# Altium PCB board.PcbDoc (part 1 of 3) (continued)
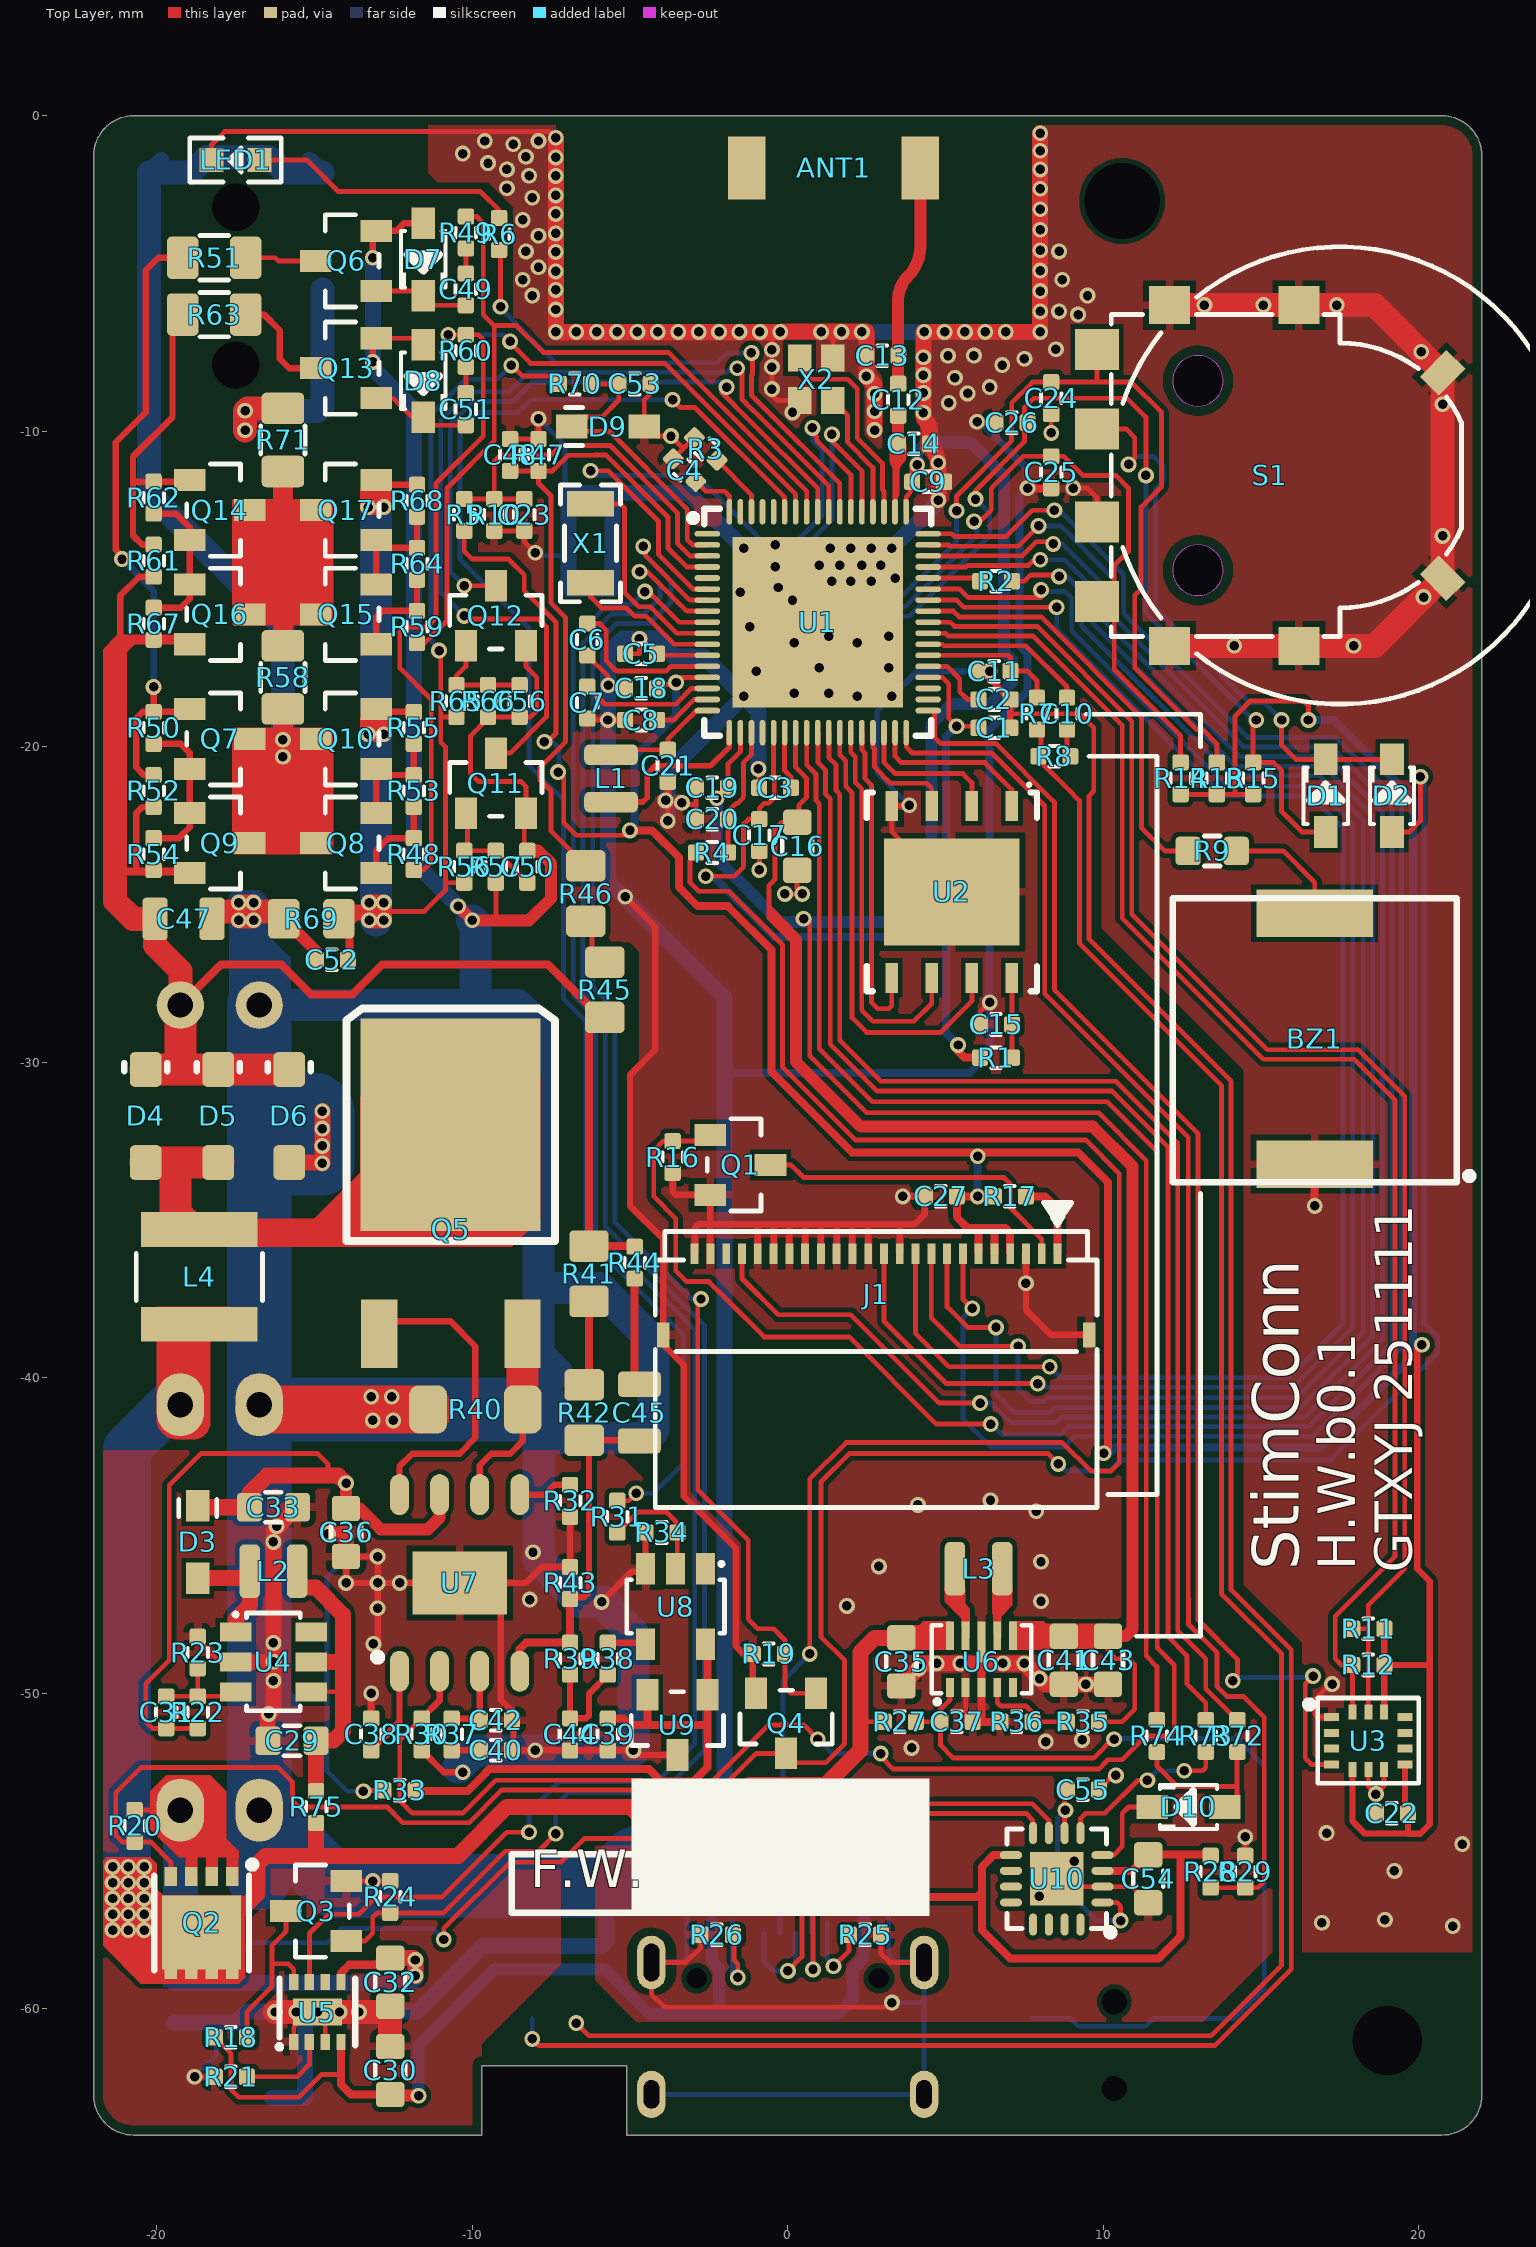
[diagram p0: Top Layer view]
## Components (designator, comment, footprint, x,y, rotation, side; value= is the part's Value field where it differs from the comment) (continued)
R3 "5.1K/1%" 0402R -2.6,-10.559 r135 top
R4 "10R/1%" 0402R -2.4,-23.35 r0 top
R5 "NTC/10K/1%" 0402R -10.25,-12.65 r90 top
R6 "10K/1%" 0402R -9.15,-3.75 r270 top
R7 "2.2K/1%" 0402R 7.9,-18.95 r90 top
R8 "2.2K/1%" 0402R 8.45,-20.3 r0 top
R9 "10R/1%" 0603R 13.45,-23.3 r0 top
R10 "10K/1%" 0402R -9.3,-12.65 r90 top
R11 "5.1K/1%" 0402R 18.4,-47.95 r180 top
R12 "5.1K/1%" 0402R 18.4,-49.1 r180 top
R13 "10K/1%" 0402R 13.6,-21 r270 top
R14 "10K/1%" 0402R 12.45,-21 r270 top
R15 "10K/1%" 0402R 14.75,-21 r270 top
R16 "10K/1%" 0402R -3.65,-33 r270 top
R17 "10R/1%" 0402R 7.042,-34.25 r0 top
R18 "10K/1%" 0402R -17.65,-60.9 r180 top
R19 "18K/1%" 0402R -0.6,-48.75 r0 top
R20 "100K/1%" 0402R -20.7,-54.2 r90 top
R21 "2.2K/1%" 0402R -17.65,-62.15 r180 top
R22 "270K/1%" 0402R -18.7,-50.6 r90 top
R23 "18K/1%" 0402R -18.7,-48.704 r270 top
R24 "18K/1%" 0402R -12.6,-56.45 r270 top
R25 "5.1K/1%" 0402R 2.45,-57.65 r180 top
R26 "5.1K/1%" 0402R -2.25,-57.65 r0 top
R27 "100K/1%" 0402R 3.55,-50.9 r180 top
R28 "5.1K/1%" 0402R 13.4,-55.65 r90 top
R29 "5.1K/1%" 0402R 14.5,-55.65 r270 top
R30 "10K/1%" 0402R -11.6,-51.3 r90 top
R31 "1K/1%" 0402R -5.4,-44.4 r90 top
R32 "100K/1%" 0402R -6.9,-43.9 r90 top
R33 "4.7K/1%" 0402R -12.3,-53.075 r0 top
R34 "5.1K/1%" 0402R -4,-44.9 r180 top
R35 "1.3M/1%" 0402R 9.35,-50.9 r0 top
R36 "180K/1%" 0402R 7.25,-50.9 r180 top
R37 "18K/1%" 0402R -10.65,-51.3 r90 top
R38 "10K/1%" 0402R -5.7,-48.9 r90 top
R39 "10K/1%" 0402R -6.9,-48.9 r270 top
R40 "R050/1%" 1206R_N_HD -9.9,-41 r0 top
R41 "470K/1%" 0805R_N_HD -6.3,-36.7 r90 top
R42 "470K/1%" 0805R_N_HD -6.45,-41.1 r90 top
R43 "18K/1%" 0402R -6.9,-46.5 r270 top
R44 "18K/1%" 0402R -4.85,-36.35 r90 top
R45 "470K/1%" 0805R_N_HD -5.8,-27.7 r270 top
R46 "470K/1%" 0805R_N_HD -6.4,-24.65 r270 top
R47 "18K/1%" 0402R -7.9,-10.75 r270 top
R48 "2.2K/1%" 0402R -11.85,-23.4 r270 top
R49 "5.1K/1%" 0402R -10.2,-3.7 r90 top
R50 "10K/1%" 0402R -20.1,-19.4 r90 top
R51 "100K/5%" 0805R -18.176,-4.5 r0 top
R52 "100K/1%" 0402R -20.1,-21.4 r90 top
R53 "10K/1%" 0402R -11.85,-21.4 r90 top
R54 "10K/1%" 0402R -20.1,-23.4 r90 top
R55 "10K/1%" 0402R -11.85,-19.4 r270 top
R56 "18K/1%" 0402R -10.25,-23.8 r90 top
R57 "5.1K/1%" 0402R -9.25,-23.8 r270 top
R58 "100K/5%" 0805R -16,-17.8 r90 top
R59 "2.2K/1%" 0402R -11.75,-16.2 r270 top
R60 "5.1K/1%" 0402R -10.2,-7.45 r90 top
R61 "100K/1%" 0402R -20.1,-14.1 r90 top
R62 "10K/1%" 0402R -20.1,-12.1 r90 top
R63 "100K/5%" 0805R -18.176,-6.3 r0 top
R64 "10K/1%" 0402R -11.75,-14.2 r90 top
R65 "10K/1%" 0402R -10.5,-18.55 r90 top
R66 "18K/1%" 0402R -9.5,-18.55 r270 top
R67 "10K/1%" 0402R -20.1,-16.1 r90 top
R68 "10K/1%" 0402R -11.75,-12.2 r270 top
R69 "10R/1%" 0805R_N_HD -15.1,-25.45 r180 top
R70 "1K/1%" 0402R -6.75,-8.5 r180 top
R71 "10R/5%" 0805R -16,-10.274 r270 top
R72 "100R/1%" 0402R 14.25,-51.35 r270 top
R73 "100R/1%" 0402R 13.25,-51.35 r270 top
R74 "2.2K/1%" 0402R 11.7,-51.35 r270 top
R75 "2.2R/1%" 0402R -14.95,-53.6 r90 top
S1 "SIQ-02FVS3" ENCODER_SMD_SIQ_02FVS3 17.5,-11.4 r270 top locked
S2 "GT-TC041B-H036-L1A" SW_MEDIUM_TURTLE 10.35,-61.15 r180 bottom
U1 "SF32LB525UC6" QFN68_0.35_7X7_H0.9 0.95,-16.05 r0 top
U2 "PY25Q128HA-WXH-IR" DFN_5X6_1.27_EPAD_FLASH 5.2,-24.6 r270 top
U3 "LSM6DS3TR" LGA14_0.5_2.5X3_H0.9 18.4,-51.5 r0 top
U4 "SX1308" SOT23_6 -16.3,-49 r180 top
U5 "LGS4056HDA" DFN8_0.5_2X2 -14.95,-60.15 r90 top
U6 "SGM62117XTGH10G/TR" DFN8_0.5_3X2_SGM62117 6.139,-48.919 r0 top
U7 "FP5207" SOP8_150MIL_PAD_N_HD -10.4,-46.5 r0 top
U8 "SN74LVC1G14DBVR" SOT23_5 -3.554,-47.246 r90 top
U9 "CJ431K" SOT23 -3.5,-51 r90 top
U10 "CH343P" QFN16_0.5_3X3 8.525,-55.875 r180 top
X1 "32.768KHz/7pF" XTAL_3215_2P -6.25,-13.55 r90 top
X2 "48MHz/9pF/10ppm" XTAL_2016_4P_N 0.9,-8.35 r270 top

## Footprints (in the part's own frame and the unit in brackets; to place one, negate y for a bottom-side part, rotate by r counter-clockwise, add the part's x,y. Pads: shape width x height; smd on the part's side, far side on the other; paste and mask are expansions set on the pad)
0402C [mil]
  rrect30% 20x20.47 smd mask+2: 1(-20,0) 2(20,0)
  silkscreen extent -6,-13 6,13, body extent -20,-10 20,10, height 20
0402R [mil]
  rrect30% 20x20.47 smd mask+2: 1(-20,0) 2(20,0)
  silkscreen extent -6,-13 6,13, body extent -20,-10 20,10, height 14
0603C [mm]
  rrect30% 0.8x0.9 smd mask+0.051: 1(-0.762,0) 2(0.762,0)
  silkscreen extent -0.25,-0.48 0.25,0.48, body extent -0.8,-0.4 0.8,0.4, height 0.8
0603R [mm]
  rrect30% 0.8x0.9 smd mask+0.051: 1(-0.762,0) 2(0.762,0)
  silkscreen extent -0.25,-0.48 0.25,0.48, body extent -0.8,-0.4 0.8,0.4, height 0.45
0805C_N_HD [mm]
  rrect30% 0.8x1.35 smd paste+0 mask+0.025: 1(-0.9,0) 2(0.9,0)
  body extent -1,-0.63 1,0.63, height 1.25
0805R [mm]
  rrect30% 1x1.35 smd paste+0 mask+0.025: 1(-1,0) 2(1,0)
  silkscreen extent -0.45,-0.7 0.45,0.7, body extent -1,-0.6 1,0.6, height 0.45
0805R_N_HD [mm]
  rrect30% 1x1.25 smd paste+0 mask+0.025: 1(-0.876,0) 2(0.876,0)
  body extent -1,-0.6 1,0.6, height 0.45
1206R_N_HD [mm]
  rrect50% 1.2x1.524 smd mask+0.051: 1(-1.5,0) 2(1.5,0)
  body extent -1.6,-0.8 1.6,0.8, height 0.55
ANT_2.4G_HWJ_CA-C03_MIRROR_OUTLINE [mm]
  rect 1.2x2 smd mask+0.051: 1(2.75,0) 2(-2.75,0)
  body extent -2.75,-1 2.75,1, height 1.02
BUZZER_PIEZO_SMD_9X9X1.8MM_2PIN [mm]
  rect 1.5x3.7 smd: 1(-4.025,0) 2(3.925,0)
  silkscreen extent -4.5,-4.5 4.5,5, body extent -4.5,-4.5 4.5,4.5, height 1.8
CAP_EL_DIP_6.3X11_HOR_REV#1 [mm]
  oval 1.5x2 hole 0.8: 1(1.25,0) 2(-1.25,0)
  silkscreen extent -3.25,0 3.25,12.75, body extent -3.2,-1.4 3.1,12.8, height 6.35
CAP_EL_DIP_6.3X11_HOR_REV#2 [mm]
  round 1.5 hole 0.8: 1(1.25,0) 2(-1.25,0)
  silkscreen extent -3.25,0 3.25,12.75, body extent -3.2,-1.4 3.1,12.8, height 6.35
CON_AUDIO_PJ_242 [mm]
  rrect30% 1.5x1.6 smd mask+0.051: 1(2.75,3.7) 2(-2.75,0) 3(2.75,0) 4(-2.75,3.7) 10(-2.75,-3.7) 11(2.75,-3.7)
  oval 0.23x0.63 hole 1.5 unplated mask+0.051: MH(0,-2.4)
  round 0 hole 1.5 unplated mask+0.051: MH(0,2.6)
  silkscreen extent -2.5,-5.1 2.5,6.9, body extent -3,-5.1 3,6.9, height 3.6
DFN8_0.5_2X2 [mm]
  rect 0.85x1.55 smd mask+0.051: 0(0.052,-0.041)
  rect 0.5x0.3 smd mask+0.051: 1(-0.898,0.709) 2(-0.898,0.209) 3(-0.898,-0.291) 4(-0.898,-0.791) 5(1.002,-0.791) 6(1.002,-0.291) 7(1.002,0.209) 8(1.002,0.709)
  silkscreen extent -1.1,-1.24 1.1,1.21, body extent -1,-1.09 1.1,1.01, height 0.65
DFN8_0.5_3X2_SGM62117 [mm]
  rect 0.25x0.6 smd mask+0.051: 1(-1,-0.9) 2(-0.5,-0.9) 3(0,-0.9) 4(0.5,-0.9) 5(1,-0.9)
  rect 0.25x0.9 smd mask+0.051: 6(1,0.75) 7(0.5,0.75) 9(-0.5,0.75) 10(-1,0.75)
  rect 0.25x1.3 smd mask+0.051: 8(0,0.55)
  silkscreen extent -1.58,-1.4 1.58,1.08, body extent -1.5,-1 1.5,1, height 0.75
DFN8_MOS_3X3 [mm]
  rect 0.4x0.6 smd mask+0.051: D(-0.975,1.475) D(-0.325,1.475) D(0.325,1.475) D(0.975,1.475) G(0.975,-1.475) S(-0.975,-1.475) S(-0.325,-1.475) S(0.325,-1.475)
  rect 2.5x2.35 smd mask+0.051: D(0,0.3)
  silkscreen extent -1.7,-1.95 1.5,1.5, body extent -1.55,-1.6 1.55,1.6, height 0.8
DFN_5X6_1.27_EPAD_FLASH [mm] "SON, 8-Leads, Body 5.00x5.95mm, Pitch 1.27mm, Thermal Pad 4.30x3.40mm, IPC High Density"
  rect 0.95x0.4 smd mask+0.051: 1(-2.72,1.905) 2(-2.72,0.635) 3(-2.72,-0.635) 4(-2.72,-1.905) 5(2.72,-1.905) 6(2.72,-0.635) 7(2.72,0.635) 8(2.72,1.905)
  rect 3.4x4.3 smd paste-1.7 mask+0.051: 4(0,0)
  silkscreen extent -3.45,-2.7 3.15,2.7, body extent -3,-2.55 3,2.55, height 0.8
ENCODER_SMD_SIQ_02FVS3 [mm]
  rect 1.2x1.3 smd mask+0.051: 1(5.4,-5.4) 2(5.4,-1.3) 5(-5.4,-1.3) 6(-5.4,-5.4)
  rect 0.85x1.2 smd rot 135 mask+0.051: 3(3.253,3.253)
  rect 0.85x1.2 smd rot 45 mask+0.051: 4(-3.253,3.253)
  rect 1.3x1.4 smd mask+0.051: A(-4,-7.7) B(4,-7.7) C(1.475,-7.7) S(-1.475,-7.7)
  Keep-Out Layer board cut-out: -2.2,-4.5 -2.279,-4.153 -2.501,-3.875 -2.822,-3.72 -3.178,-3.72 -3.499,-3.875 -3.721,-4.153 -3.8,-4.5 -3.8,-4.5 -3.721,-4.847 -3.499,-5.125 -3.178,-5.28 -2.822,-5.28 -2.501,-5.125 -2.279,-4.847 -2.2,-4.5
  Keep-Out Layer board cut-out: 3.8,-4.5 3.721,-4.153 3.499,-3.875 3.178,-3.72 2.822,-3.72 2.501,-3.875 2.279,-4.153 2.2,-4.5 2.2,-4.5 2.279,-4.847 2.501,-5.125 2.822,-5.28 3.178,-5.28 3.499,-5.125 3.721,-4.847 3.8,-4.5
  silkscreen extent -7.25,-7.25 7.25,7.25, body extent -7.25,-7.26 7.25,7.21, height 4.05
FPC_0.5MM_24P_H1.0_DNUP_MIRROR_FH34SRJ-24S-0.5SH [mm]
  rect 0.4x0.8 smd mask+0.051: 0(-6.75,-1.287) 0(6.75,-1.287)
  rect 0.25x0.65 smd mask+0.051: 1(5.75,1.288) 2(5.25,1.288) 3(4.75,1.288) 4(4.25,1.287) 5(3.75,1.288) 6(3.25,1.288) 7(2.75,1.288) 8(2.25,1.288) 9(1.75,1.288) 10(1.25,1.287) 11(0.75,1.287) 12(0.25,1.287) 13(-0.25,1.288) 14(-0.75,1.288) 15(-1.25,1.288) 16(-1.75,1.288) 17(-2.25,1.288) 18(-2.75,1.287) 19(-3.25,1.287) 20(-3.75,1.287) 21(-4.25,1.288) 22(-4.75,1.288) 23(-5.25,1.288) 24(-5.75,1.288)
  silkscreen extent -7,-1.81 7,2.45, body extent -7,-1.8 7,2, height 1
INDUCTOR_0806_HD [mm]
  rrect50% 0.65x1.7 smd mask+0.051: 1(-0.75,0) 2(0.75,0)
  body extent -1,-0.62 1,0.62, height 0.78
INDUCTOR_SWPA4020S [mm]
  rect 1.1x3.7 smd mask+0.051: 1(-1.5,0) 2(1.5,0)
  silkscreen extent -0.75,-2 0.75,2, body extent -2,-2 2,2, height 1.8
LED_0603 [mil]
  rect 30x30 smd: 1(30,0) 2(-30,0)
  silkscreen extent -57,-28 57,28, body extent -33,-16 30,16, height 24
LGA14_0.5_2.5X3_H0.9 [mm]
  rect 0.475x0.25 smd mask+0.051: 1(-1.162,0.75) 2(-1.162,0.25) 3(-1.162,-0.25) 4(-1.162,-0.75) 8(1.162,-0.75) 9(1.162,-0.25) 10(1.162,0.25) 11(1.162,0.75)
  rect 0.25x0.475 smd mask+0.051: 5(-0.5,-0.913) 6(0,-0.913) 7(0.5,-0.913) 12(0.5,0.913) 13(0,0.913) 14(-0.5,0.913)
  silkscreen extent -1.97,-1.35 1.6,1.36, body extent -1.5,-1.25 1.5,1.25, height 0.9
MIC_DIP_F4_H1.5 [mm]
  oval 1x2 smd: 1(-0.7,0) 2(0.7,0)
PRT_1.25MM_2PIN_HOR_SMD [mm]
  rect 1.6x3 smd: 0(-3.025,-1.55) 0(3.025,-1.55)
  rect 0.6x1.6 smd: 1(-0.625,1.55) 2(0.625,1.55)
  silkscreen extent -2.75,-3.45 2.75,0.75, body extent -3.62,-3.45 3.63,1.96, height 3.45
QFN16_0.5_3X3 [mm]
  rect 1.7x1.7 smd mask+0.051: 0(0,0)
  oval 0.7x0.25 smd mask+0.051: 1(-1.45,0.75) 2(-1.45,0.25) 3(-1.45,-0.25) 4(-1.45,-0.75) 9(1.45,-0.75) 10(1.45,-0.25) 11(1.45,0.25) 12(1.45,0.75)
  oval 0.25x0.7 smd mask+0.051: 5(-0.75,-1.45) 6(-0.25,-1.45) 7(0.25,-1.45) 8(0.75,-1.45) 13(0.75,1.45) 14(0.25,1.45) 15(-0.25,1.45) 16(-0.75,1.45)
  silkscreen extent -1.8,-1.58 1.58,1.8, body extent -1.5,-1.5 1.5,1.5, height 0.9
QFN68_0.35_7X7_H0.9 [mil]
  rect 212.6x212.6 smd: 0(0,0)
  oval 32x7 smd mask+2: 1(-137.8,110.24) 2(-137.8,96.46) 3(-137.8,82.68) 4(-137.8,68.9) 5(-137.8,55.12) 6(-137.8,41.34) 7(-137.8,27.56) 8(-137.8,13.78) 9(-137.8,0) 10(-137.8,-13.78) 11(-137.8,-27.56) 12(-137.8,-41.34) 13(-137.8,-55.12) 14(-137.8,-68.9) 15(-137.8,-82.68) 16(-137.8,-96.46) 17(-137.8,-110.24) 35(137.8,-110.24) 36(137.8,-96.46) 37(137.8,-82.68) 38(137.8,-68.9) 39(137.8,-55.12) 40(137.8,-41.34) 41(137.8,-27.56) 42(137.8,-13.78) 43(137.8,0) 44(137.8,13.78) 45(137.8,27.56) 46(137.8,41.34) 47(137.8,55.12) 48(137.8,68.9) 49(137.8,82.68) 50(137.8,96.46) 51(137.8,110.24)
  oval 7x32 smd mask+2: 18(-110.24,-137.8) 19(-96.46,-137.8) 20(-82.68,-137.8) 21(-68.9,-137.8) 22(-55.12,-137.8) 23(-41.34,-137.8) 24(-27.56,-137.8) 25(-13.78,-137.8) 26(0,-137.8) 27(13.78,-137.8) 28(27.56,-137.8) 29(41.34,-137.8) 30(55.12,-137.8) 31(68.9,-137.8) 32(82.68,-137.8) 33(96.46,-137.8) 34(110.24,-137.8) 52(110.24,137.8) 53(96.46,137.8) 54(82.68,137.8) 55(68.9,137.8) 56(55.12,137.8) 57(41.34,137.8) 58(27.56,137.8) 59(13.78,137.8) 60(0,137.8) 61(-13.78,137.8) 62(-27.56,137.8) 63(-41.34,137.8) 64(-55.12,137.8) 65(-68.9,137.8) 66(-82.68,137.8) 67(-96.46,137.8) 68(-110.24,137.8)
  silkscreen extent -159,-142 142,142, body extent -138,-138 138,138, height 35
SOD123_N_HD [mm] "SOD-123/1206D"
  rrect30% 1.1x1 smd mask+0.051: 1(1.475,0) 2(-1.475,0)
  silkscreen extent -1.68,-0.68 -1.42,0.68, body extent -1.65,-0.8 1.65,0.8, height 1.2
SOD323 [mm] "SOD-323/0805D"
  rect 1x0.75 smd mask+0.051: 1(1.15,0) 2(-1.15,0)
  silkscreen extent -0.96,-0.7 0.9,0.7, body extent -1.3,-0.67 1.3,0.68, height 1.1
SOD323_N [mm]
  rect 1x0.75 smd mask+0.051: 1(1.15,0) 2(-1.15,0)
  silkscreen extent -1.35,-0.6 -0.8,0.6, body extent -1.3,-0.67 1.3,0.68, height 1.1
SOP8_150MIL_PAD_N_HD [mm]
  rect 3x2 smd: 0(0,0)
  oval 0.6x1.3 smd: 1(-1.905,-2.8) 2(-0.635,-2.8) 3(0.635,-2.8) 4(1.905,-2.8) 5(1.905,2.8) 6(0.635,2.8) 7(-0.635,2.8) 8(-1.905,2.8)
  silkscreen extent -2.71,-2.46 -2.49,-2.24, body extent -2.45,-3 2.45,3, height 1.75
SOT23 [mm]
  rect 1x0.7 smd mask+0.051: 1(0.953,-0.95) 2(0.953,0.95) 3(-0.953,0)
  silkscreen extent -0.66,-1.46 1.05,1.46, body extent -1.25,-1.5 1.25,1.5, height 1.2
SOT23_5 [mm]
  rect 1x0.6 smd mask+0.051: 1(1.2,-0.95) 2(1.2,0) 3(1.2,0.95) 4(-1.2,0.95) 5(-1.2,-0.95)
  silkscreen extent -0.85,-1.55 1.4,1.55, body extent -1.4,-1.45 1.4,1.45, height 1.55
SOT23_6 [mm]
  rect 1x0.6 smd mask+0.051: 1(1.2,-0.95) 2(1.2,0) 3(1.2,0.95) 4(-1.2,0.95) 5(-1.2,0) 6(-1.2,-0.95)
  silkscreen extent -0.85,-1.55 1.25,1.55, body extent -1.4,-1.45 1.4,1.45, height 1.55
SOT23_BCE [mm]
  rect 1x0.7 smd mask+0.051: B(0.953,-0.95) C(-0.953,0) E(0.953,0.95)
  silkscreen extent -0.66,-1.46 1.05,1.46, body extent -1.25,-1.5 1.25,1.5, height 1.2
SOT23_MOS [mm]
  rect 1x0.7 smd mask+0.051: D(-0.953,0) G(0.953,-0.95) S(0.953,0.95)
  silkscreen extent -0.66,-1.46 1.05,1.46, body extent -1.25,-1.5 1.25,1.5, height 1.2
SW_MEDIUM_TURTLE [mm] "中乌龟贴片按钮"
  rrect50% 1.55x1 smd: 1(-2.625,0.85) 1(2.625,0.85) 2(-2.625,-0.85) 2(2.625,-0.85)
  round 0 hole 0.8 unplated: SHELL(0,-1.375)
  round 0.4 hole 0.8 unplated: SHELL(0,1.375)
  silkscreen extent -2.35,-2.75 2.35,1.75, body extent -3.1,-2.75 3.1,1.8, height 1.65
TO252_MOS [mil]
  rect 265x225 smd: D(0,0)
  rect 85x45 smd: G(-260.84,89) S(-260.84,-90)
  silkscreen extent -145,-130 145,130, body extent -280,-133 118,132, height 93
USB_C_16P_FEMALE_HOR_L7.3_HD [mm]
  round 0 hole 0.65 unplated: 0(-2.89,1.122) 0(2.89,1.122)
  rect 0.6x1.2 smd: A1/B12(-3.2,2.558) A4/B9(-2.4,2.558) B1/A12(3.2,2.558) B4/A9(2.4,2.558)
  rect 0.3x1.2 smd: A5(-1.25,2.558) A6(-0.25,2.558) A7(0.25,2.558) A8(1.25,2.558) B5(1.75,2.558) B6(0.75,2.558) B7(-0.75,2.558) B8(-1.75,2.558)
  oval 0.9x1.7 hole 0.5 slot 1.2 at 90 deg: MH1(-4.32,1.622) MH4(4.32,1.622)
  oval 0.9x1.5 hole 0.5 slot 0.9 at 90 deg: MH2(-4.32,-2.558) MH3(4.32,-2.558)
  silkscreen extent -4.47,-5.16 4.47,2.19, body extent -4.48,-5.12 4.47,2.63, height 3.26
XTAL_2016_4P_N [mm]
  rect 0.85x0.75 smd mask+0.025: 1(-0.675,-0.525) 2(0.675,-0.525) 3(0.675,0.525) 4(-0.675,0.525)
  body extent -1.01,-0.81 0.99,0.79, height 0.4
XTAL_3215_2P [mm]
  rect 0.8x1.5 smd: 1(-1.25,0) 2(1.25,0)
  silkscreen extent -1.85,-0.95 1.85,0.95, body extent -1.6,-0.75 1.6,0.75, height 0.8

## Part data
ANT1: library part ANT_2.4G_HWJ_CA-C03, "T-net: 0R-3nH-0R"
BZ1: library part BUZZER_PIEZO_2PIN
C1 C2 C3 C4 C5 C6 C7 C8 C9 C10 C11 C12 C13 C14 C15 C16 C17 C18 C19 C20 C21 C22 C23 C24 C25 C26 C27 C29 C30 C31 C32 C33 C35 C36 C37 C38 C39 C40 C41 C42 C43 C44 C48 C49 C50 C51 C52 C53 C54 C55 C56: library part CAP
C28 C34 C46: library part CAP_EL
C45 C47: library part CAP, "CC0805JRNPOABN102"
D1 D2 D3 D4 D5 D7 D8 D10: library part VD
D6 D9: library part VS
J1: library part CON24_FPC
J3: library part USB_TYPEC_16P_Horizontal_4MP
J4: library part CON_AUDIO_PJ_242D
L1 L2 L3 L4: library part INDUCTOR
LED1: library part LED_GENERAL
MIC1: library part MIC_ELE
Q1 Q3 Q4 Q5: library part MOS_N
Q2: library part MOS_P
Q6 Q8 Q10 Q11 Q12 Q13 Q15 Q17: library part BJT_NPN
Q7 Q9 Q14 Q16: library part BJT_PNP
R1 R2 R3 R4 R6 R7 R8 R9 R10 R11 R12 R13 R14 R15 R16 R17 R18 R19 R20 R21 R22 R23 R24 R25 R26 R27 R28 R29 R30 R31 R32 R33 R34 R35 R36 R37 R38 R39 R40 R41 R42 R43 R44 R45 R46 R47 R48 R49 R50 R51 R52 R53 R54 R55 R56 R57 R58 R59 R60 R61 R62 R63 R64 R65 R66 R67 R68 R69 R70 R71 R72 R73 R74 R75: library part RES
R5: library part NTC
S1: library part ENCODER_SIQ-02FVS3, "Rotary encoder in 15 detents with push function"
S2: library part SW_PB
U1: library part SOC_SIFLI_SF32LB525UC6, "Li-ion power, 8MB psram, VSYS connect to VBAT"
U2: library part GD25Q32
U3: library part LSM6DS3, "always-on 3D accelerometer and 3D gyroscope"
U5: library part TP4056
U6: library part SGM62117, "Buck-Boost Converter, 18uA, 2.2 to 5.5V IN, 1.8 to 5.2V OUT"
U8: library part SN74AHC1G14, "1-Channel Schmitt-Trigger Inverter Gate"
U9: library part TL431
U10: "USB to UART converter"
X1: library part XTAL, "Q13FC13500002"
X2: library part XTAL_SMT_PASSIVE4PIN, "SX20Y048000B91T004"

## Free pads (board coordinates)
  round 0 hole 2.2 unplated: 0(19,-61)
  round 1.524 hole 2.4: MH(10.6,-2.7)

## Via types
v1: diameter 0.5, hole 0.3, Top Layer to Bottom Layer, tented both sides, 334 vias

## Nets (pads, with @x,y where several pads share a name; then routed paths per layer and width w, separated by ;. In a path a pad name is that pad's centre, name@x,y a point inside that pad or via, vN(x,y) a via of type N, cw(c..) or ccw(c..) an arc to the next point about the centre after c; other vN are vias at no path point)
ADC_HVCC: C48.2 R46.1 R47.2 U1.4 | length 22.3
  Top Layer w0.152: C48.2@-8.8,-11.258 R47.2@-7.9,-11.258 ; R46.1@-6.4,-23.774 -7.5,-22.674 -7.5,-21.4 -7.85,-21.05 -7.85,-20.65 -7.04,-19.84 -7.04,-15.906 -7.5,-15.446 -7.5,-12.05 -7.9,-11.65 R47.2@-7.9,-11.258 ; U1.4@-2.55,-14.3 -3.2,-14.3 -3.795,-13.705 -3.795,-12.717 -5.757,-10.755 -6.124,-10.755 -6.127,-10.758 -6.958,-10.758 -7.458,-11.258 R47.2@-7.9,-11.258
ADC_IOUT: C53.2 D9.2 R70.1 U1.2 | length 9.7
  Top Layer w0.152: R70.1@-6.33,-8.5 R70.1@-6.242,-8.5 C53.2@-5.358,-8.5 -5.358,-9.008 -5.9,-9.55 -6.65,-9.55 -6.85,-9.75 -6.6,-10 -5.65,-10 -3.186,-12.464 -3.186,-13.433 -3.019,-13.6 U1.2@-2.55,-13.6
ADC_MIC: C10.1 R8.2 | length 0.9
  Top Layer w0.152: C10.1@8.85,-19.458 8.85,-20.292 R8.2@8.9,-20.342
ADC_TMP: C23.2 R5.2 R10.2 U1.3 | length 12.1
  Top Layer w0.152: R5.2@-10.25,-12.142 R10.2@-9.3,-12.142 ; C23.2@-8.35,-12.142 R10.2@-9.3,-12.142 ; U1.3@-2.55,-13.95 -3.1,-13.95 -3.49,-13.56 -3.49,-12.591 -5.631,-10.45 -6.25,-10.45 -6.254,-10.454 -7.204,-10.454 -7.5,-10.75 -9.1,-10.75 -9.3,-10.95 R10.2@-9.3,-12.142
AVDD33: C1.2 C17.1 R1.1 U1.22 U1.38 | length 29
  Top Layer w0.152: v1(-2.6,-24.1) -1.7,-24.1 -1.4,-23.8 -1.4,-22.45 -1.242,-22.292 C17.1@-0.9,-22.292 -0.9,-21.95 -0.739,-21.789 -0.604,-21.789 -0.425,-21.61 -0.425,-20.99 -0.45,-20.965 U1.22@-0.45,-19.55 ; U1.38@4.45,-17.8 4.9,-17.8 5.1,-18 5.1,-19.1 v1(5.35,-19.35) 5.992,-19.35 C1.2@6.042,-19.4
  Top Layer w0.254: v1(5.4,-29.45) 5.4,-29.65 5.6,-29.85 R1.1@6.092,-29.85
  Bottom Layer w0.254: v1(-2.6,-24.1) -2.365,-24.1 -0.445,-26.02 5.02,-26.02 ; v1(5.35,-19.35) 5.02,-19.68 5.02,-26.02 ; v1(5.4,-29.45) 5.02,-29.07 5.02,-26.02
BST_EN: R30.2 U1.25 U7.2 | length 72.8
  Top Layer w0.152: R30.2@-11.6,-50.792 -12.3,-51.492 -12.3,-53.4 -11.905,-53.795 -10.295,-53.795 -9.256,-52.756 -4.644,-52.756 -4.205,-53.195 -2.974,-53.195 -2.969,-53.2 -2.8,-53.2 -0.6,-51 0.5,-51 v1(0.95,-51.45) ; U1.25@0.6,-19.55 0.6,-20.568 0.895,-20.864 0.895,-21.626 0.9,-21.631 0.9,-21.7 1,-21.8 1,-29.569 2.681,-31.25 10.131,-31.25 11.708,-32.827 11.708,-48.558 12.25,-49.1 12.25,-51.2 12.1,-51.35 11.35,-51.35 10.6,-52.1 10.15,-52.1 9.85,-52.4 3.35,-52.4 2.947,-51.997 v1(2.947,-51.908)
  Top Layer w0.203: R30.2@-11.6,-50.792 -11.035,-50.227 U7.2@-11.035,-49.3
  Bottom Layer w0.152: v1(0.95,-51.45) 1.4,-51.9 2.94,-51.9 v1(2.947,-51.908)
BST_VFB: C45.1 R39.1 R42.1 R43.2 U7.4 | length 11.2
  Top Layer w0.203: R43.2@-6.9,-47.008 -6.843,-46.951 -6.463,-46.951 -6.3,-46.787 -6.3,-42.126 R42.1@-6.45,-41.976 C45.1@-4.55,-41.976
  Top Layer w0.254: U7.4@-8.495,-49.3 -8.495,-48.595 -8.292,-48.392 R39.1@-6.9,-48.392 R43.2@-6.9,-47.008
CHG_EN: Q3.D R18.1 U5.8 | length 5.7
  Top Layer w0.152: R18.1@-17.142,-60.9 -17.142,-60.092 -16.35,-59.3 -16.35,-58.566 ; Q3.D@-15.903,-56.9 -15.903,-57.553 -16.35,-58 -16.35,-58.566 ; U5.8@-15.659,-59.148 -15.659,-58.741 -15.834,-58.566 -16.35,-58.566
CHG_SHDN: Q3.G R24.2 U1.8 | length 58.3
  Top Layer w0.152: Q3.G@-13.997,-57.85 -13.4,-57.85 -13.15,-57.6 -13.15,-57.1 -13.008,-56.958 R24.2@-12.6,-56.958 -10.908,-56.958 -8.95,-55 -7.9,-55 v1(-7.35,-54.45) ; v1(-4.698,-14.45) -4.45,-14.45 -3.2,-15.7 U1.8@-2.55,-15.7
  Bottom Layer w0.152: v1(-7.35,-54.45) -7.35,-53.55 -6.95,-53.15 -4,-53.15 -2.637,-51.787 -2.637,-38.344 -5.783,-35.198 -5.783,-28.444 -6.487,-27.739 -6.487,-16.708 -6.144,-16.364 -6.144,-16.352 -5.579,-15.787 -4.556,-15.787 -4.047,-15.278 -4.047,-14.853 -4.45,-14.45 v1(-4.698,-14.45)
CHG_STAT: U1.9 U5.7 | length 58.5
  Top Layer w0.152: U5.7@-15.159,-59.148 -15.159,-57.609 -14.55,-57 -13.6,-57 -13.05,-56.45 -10.95,-56.45 -8.9,-54.4 v1(-8.2,-54.4) ; v1(-4.525,-15.08) -4.433,-15.08 -4.307,-15.206 -4.282,-15.206 -3.438,-16.05 U1.9@-2.55,-16.05
  Bottom Layer w0.152: v1(-8.2,-54.4) -8.2,-53.75 -7.25,-52.8 -4.15,-52.8 -2.95,-51.6 -2.95,-38.473 -6.095,-35.328 -6.095,-28.574 -6.8,-27.869 -6.8,-16.577 -5.705,-15.483 -4.928,-15.483 v1(-4.525,-15.08)
DBG_RX: R72.1 U1.27 | length 41
  Top Layer w0.152: U1.27@1.3,-19.55 1.305,-19.555 1.305,-20.343 1.531,-20.569 1.531,-21.381 1.65,-21.5 1.65,-29.3 2.95,-30.6 10.4,-30.6 12.358,-32.558 12.358,-48.008 13.25,-48.9 13.25,-49.858 14.234,-50.842 R72.1@14.25,-50.842
DBG_TX: R73.1 U1.26 | length 40.8
  Top Layer w0.152: U1.26@0.95,-19.55 0.955,-19.555 0.955,-20.492 1.2,-20.737 1.2,-21.5 1.345,-21.645 1.345,-29.426 2.824,-30.905 10.274,-30.905 12.053,-32.684 12.053,-48.203 12.65,-48.8 12.65,-49.7 13.25,-50.3 R73.1@13.25,-50.842
DRV_10V: C31.1 C33.1 C36.1 D3.2 R22.1 R33.1 U7.7 | length 37.4
  Top Layer w0.152: R22.1@-18.7,-51.108 -20.142,-51.108 -20.35,-50.9 -20.35,-49.7 -19.6,-48.95 -19.6,-43.4 -18.6,-42.4 -14.9,-42.4 -14.567,-42.733 -14.567,-43.1 ; v1(-13.45,-53.1) -13.425,-53.075 R33.1@-12.808,-53.075
  Top Layer w0.381: v1(-14,-43.339) C36.1@-14,-44.138 -13.562,-44.138 -12.9,-44.8 -11.4,-44.8 -11.035,-44.435 U7.7@-11.035,-43.7
  Top Layer w0.508: D3.2@-18.7,-44.05 -18.65,-44.1 C33.1@-17.062,-44.1 -17.062,-43.662 -16.5,-43.1 -14.567,-43.1 -14.239,-43.1 v1(-14,-43.339)
  Bottom Layer w0.152: v1(-14,-43.339) -14,-45.7 -14.6,-46.3 -14.6,-52.462 -13.962,-53.1 v1(-13.45,-53.1)
ENC_A: C24.2 R13.1 S1.A U1.56 | length 37.8
  Top Layer w0.152: v1@1.25,-10.15 2.35,-11.25 U1.56@2.35,-12.55 ; v1(5.35,-12.517) 5.35,-12.05 7.095,-10.305 7.095,-9.724 7.1,-9.719 7.1,-9.1 7.758,-8.442 C24.2@8.35,-8.442 10.892,-8.442 11.85,-9.4 11.85,-11.75 11.2,-12.4 11.2,-15 11,-15.2 11,-17.5 12.95,-19.45 13.15,-19.45 13.6,-19.9 R13.1@13.6,-20.492 ; 9.8,-8.442 S1.A@9.8,-7.4
  Bottom Layer w0.152: v1(1.4,-10.1) 1.4,-12.8 0.45,-13.75 0.45,-14.5 1.2,-15.25 3.6,-15.25 4.921,-13.929 4.921,-13.924 5.35,-13.496 v1(5.35,-12.517)
ENC_B: C25.2 R14.1 S1.B U1.57 | length 32.4
  Top Layer w0.152: v1(0.781,-9.894) 0.793,-9.907 0.793,-10.053 0.921,-10.181 0.921,-10.298 1,-10.377 1,-10.381 2,-11.381 U1.57@2,-12.55 ; v1(5.906,-12.857) 6.093,-12.857 6.45,-12.5 6.45,-11.812 7.47,-10.792 C25.2@8.35,-10.792 8.742,-10.792 9.35,-11.4 10.4,-11.4 10.8,-11.8 10.8,-13.8 10.35,-14.25 10.35,-17.55 12.45,-19.65 R14.1@12.45,-20.492
  Bottom Layer w0.152: v1(0.781,-9.894) 0.781,-10.281 1.095,-10.595 1.095,-12.674 0.145,-13.624 0.145,-14.626 1.074,-15.555 3.726,-15.555 5.226,-14.055 5.226,-14.05 6,-13.276 6,-13.12 5.973,-13.093 5.973,-12.924 v1(5.906,-12.857)
ENC_KEY: C26.2 D1.1 R15.1 U1.6 | length 48.2
  Top Layer w0.152: v1(-6.25,-11.25) -5.693,-11.25 -4.1,-12.843 -4.1,-13.9 -3,-15 U1.6@-2.55,-15 ; v1(5.95,-12.15) 5.95,-11.881 7.5,-10.331 7.5,-9.25 7.8,-8.95 10.75,-8.95 11.35,-9.55 v1@11.35,-11.4 ; v1(14.85,-19.15) 14.75,-19.25 R15.1@14.75,-20.492 15.392,-20.492 15.65,-20.75 15.65,-22.05 16.3,-22.7 D1.1@17.05,-22.7
  Bottom Layer w0.152: v1(-6.25,-11.25) -6.1,-11.4 -2.9,-11.4 -0.91,-13.39 -0.91,-15.04 -0.09,-15.86 3.853,-15.86 5.531,-14.181 5.531,-14.176 6.4,-13.307 6.4,-12.6 v1(5.95,-12.15) ; v1@11.211,-11.54 v1(11.351,-11.4) 11.351,-15.751 14.75,-19.15 v1(14.85,-19.15)
FLASH_CLK: U1.29 U2.6 | length 12.4
  Top Layer w0.152: U1.29@2,-19.55 1.997,-19.553 1.997,-20.173 2.14,-20.316 2.14,-21.129 2.345,-21.333 2.345,-28.345 2.7,-28.7 4,-28.7 4.565,-28.135 U2.6@4.565,-27.32
FLASH_CS: U1.33 U2.1 | length 5.4
  Top Layer w0.152: U1.33@3.4,-19.55 3.4,-20.3 3.6,-20.5 6.25,-20.5 7.104,-21.354 7.104,-21.879 U2.1@7.105,-21.88
FLASH_D0: U1.30 U2.5 | length 10.3
  Top Layer w0.152: U1.30@2.35,-19.55 2.35,-20.095 2.445,-20.19 2.445,-21.003 2.65,-21.207 2.65,-28.1 2.85,-28.3 3.2,-28.3 3.295,-28.205 U2.5@3.295,-27.32
FLASH_D1: U1.32 U2.2 | length 4.7
  Top Layer w0.152: U1.32@3.05,-19.55 3.05,-19.933 3.055,-19.938 3.055,-20.505 3.4,-20.85 5.55,-20.85 5.835,-21.135 U2.2@5.835,-21.88
FLASH_D2: U1.31 U2.3 | length 3.8
  Top Layer w0.152: U1.31@2.7,-19.55 2.7,-20.014 2.75,-20.064 2.75,-20.65 3.25,-21.15 3.269,-21.15 3.274,-21.155 4.405,-21.155 4.565,-21.315 U2.3@4.565,-21.88
FLASH_D3: U1.28 U2.7 | length 14.3
  Top Layer w0.152: U1.28@1.65,-19.55 1.65,-20.257 1.836,-20.443 1.836,-21.255 2.04,-21.46 2.04,-28.59 2.5,-29.05 4.85,-29.05 5.835,-28.065 U2.7@5.835,-27.32
FRST: C37.2 R27.1 S2.1 U6.1 | length 28.8
  Top Layer w0.152: R27.1@4.058,-50.9 C37.2@4.842,-50.9 ; U6.1@5.139,-49.819 5.139,-50.211 4.842,-50.508 C37.2@4.842,-50.9 ; v1(10.342,-51.452) 10.342,-51.448 10.322,-51.428 9.7,-52.05 5.25,-52.05 4.842,-51.642 C37.2@4.842,-50.9
  Bottom Layer w0.152: S2.1@7.725,-60.3 8.95,-60.3 9.2,-60.55 11.35,-60.55 11.6,-60.3 S2.1@12.975,-60.3 14.15,-60.3 15.1,-59.35 15.1,-52.3 14.228,-51.428 10.365,-51.428 v1(10.342,-51.452)